# Altium PCB AGRSHUB_U_PCB.PcbDoc (part 1 of 2)
Units mil, origin at the board's own origin, x right, y up, seen from the top; angles counter-clockwise.
Board outline 4400 x 3450 mil, 2 copper layers (Top Layer, Bottom Layer); 174 components, 133 nets, 585 pads, 134 vias.
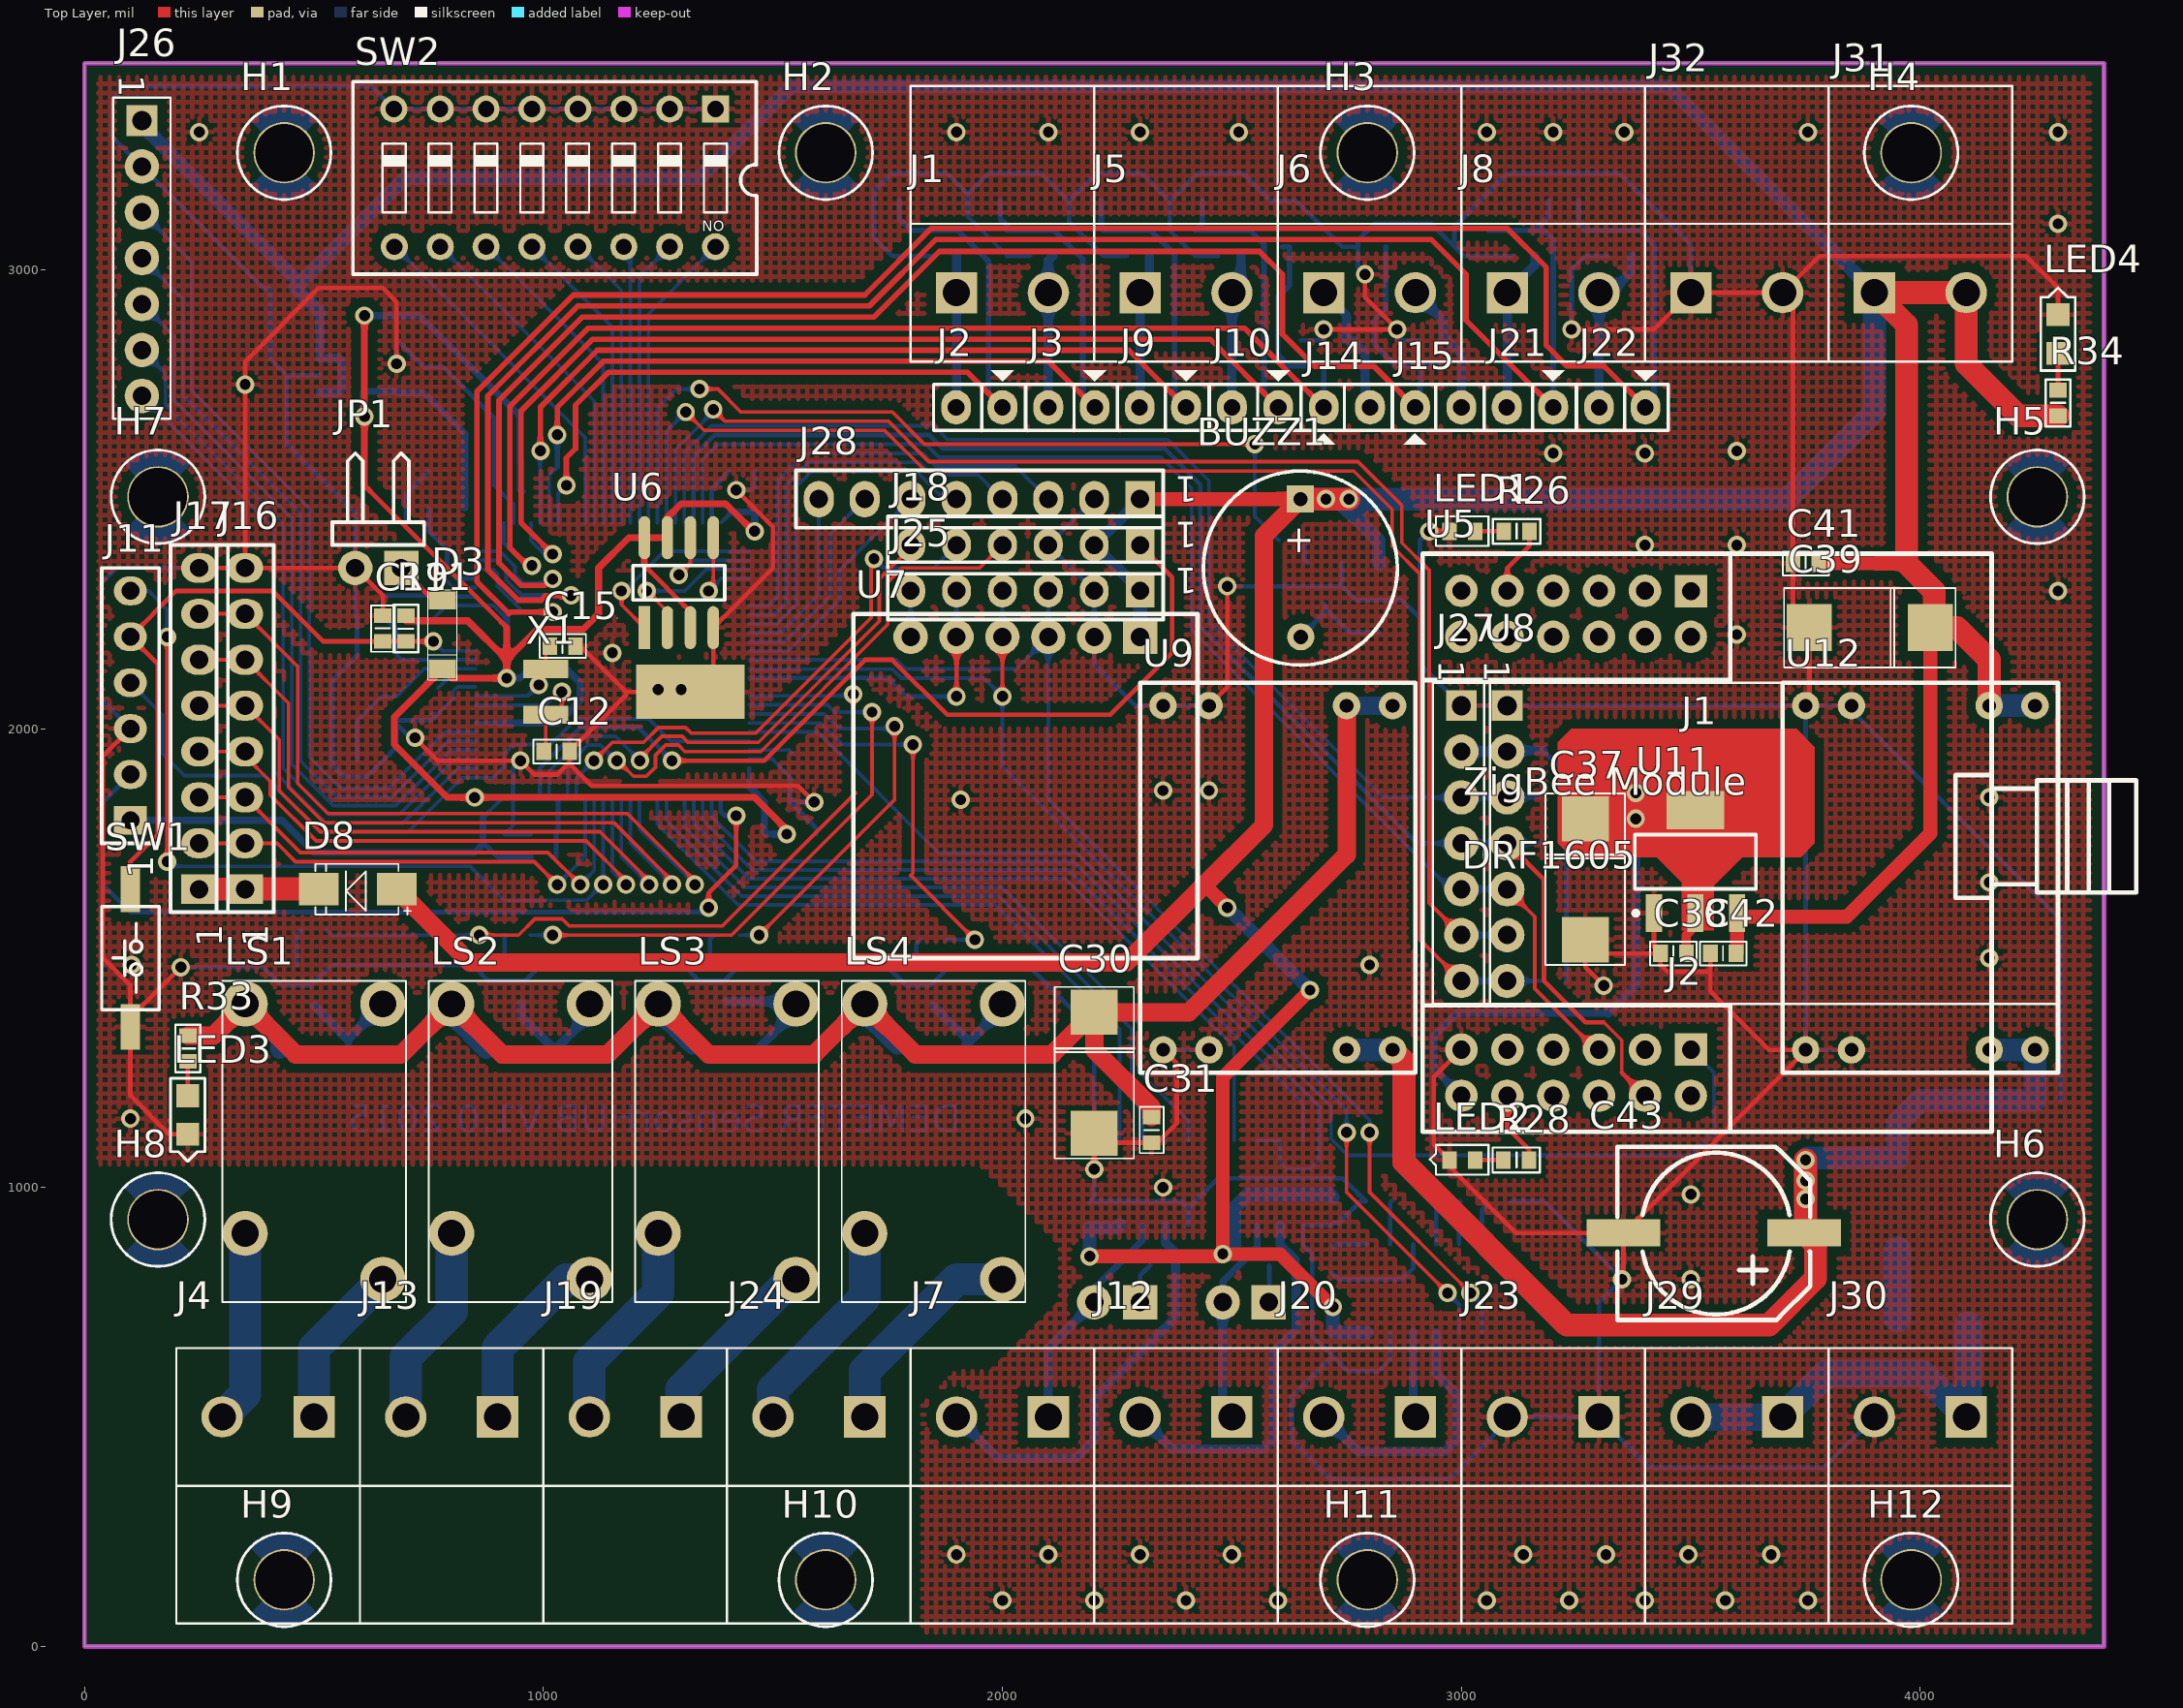
[diagram p0: Top Layer view]
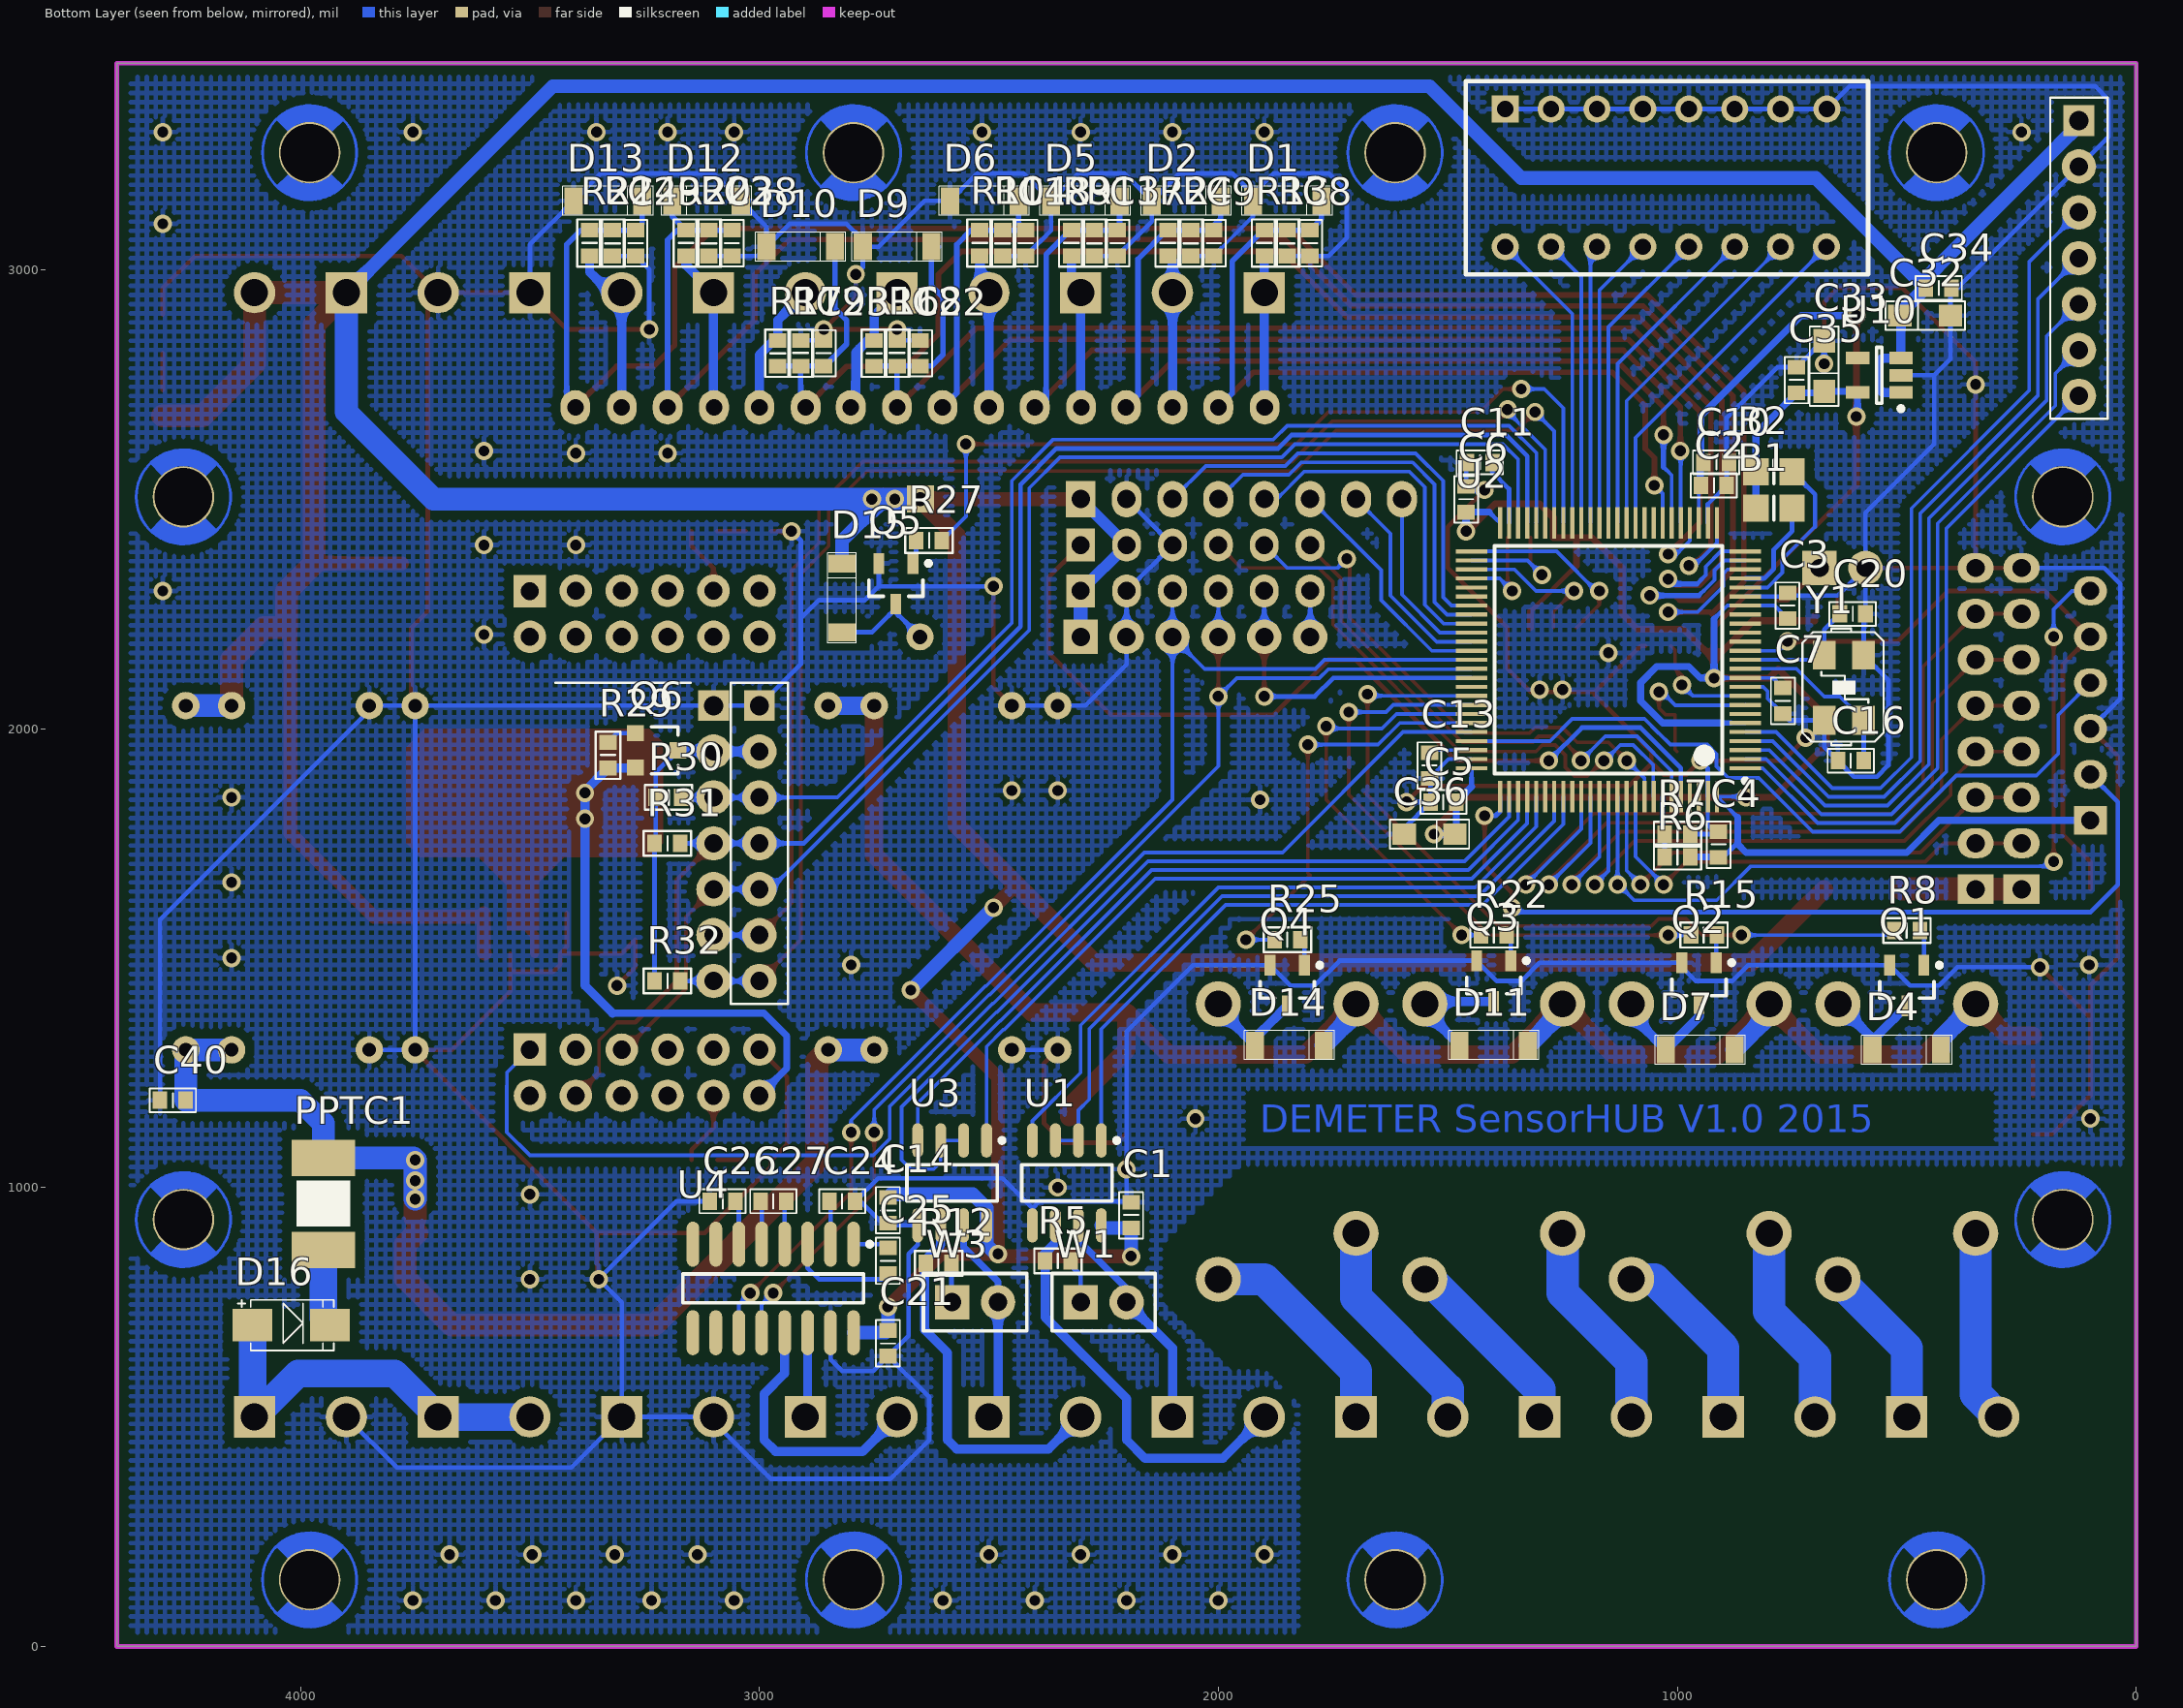
[diagram p1: Bottom Layer view, seen from below]
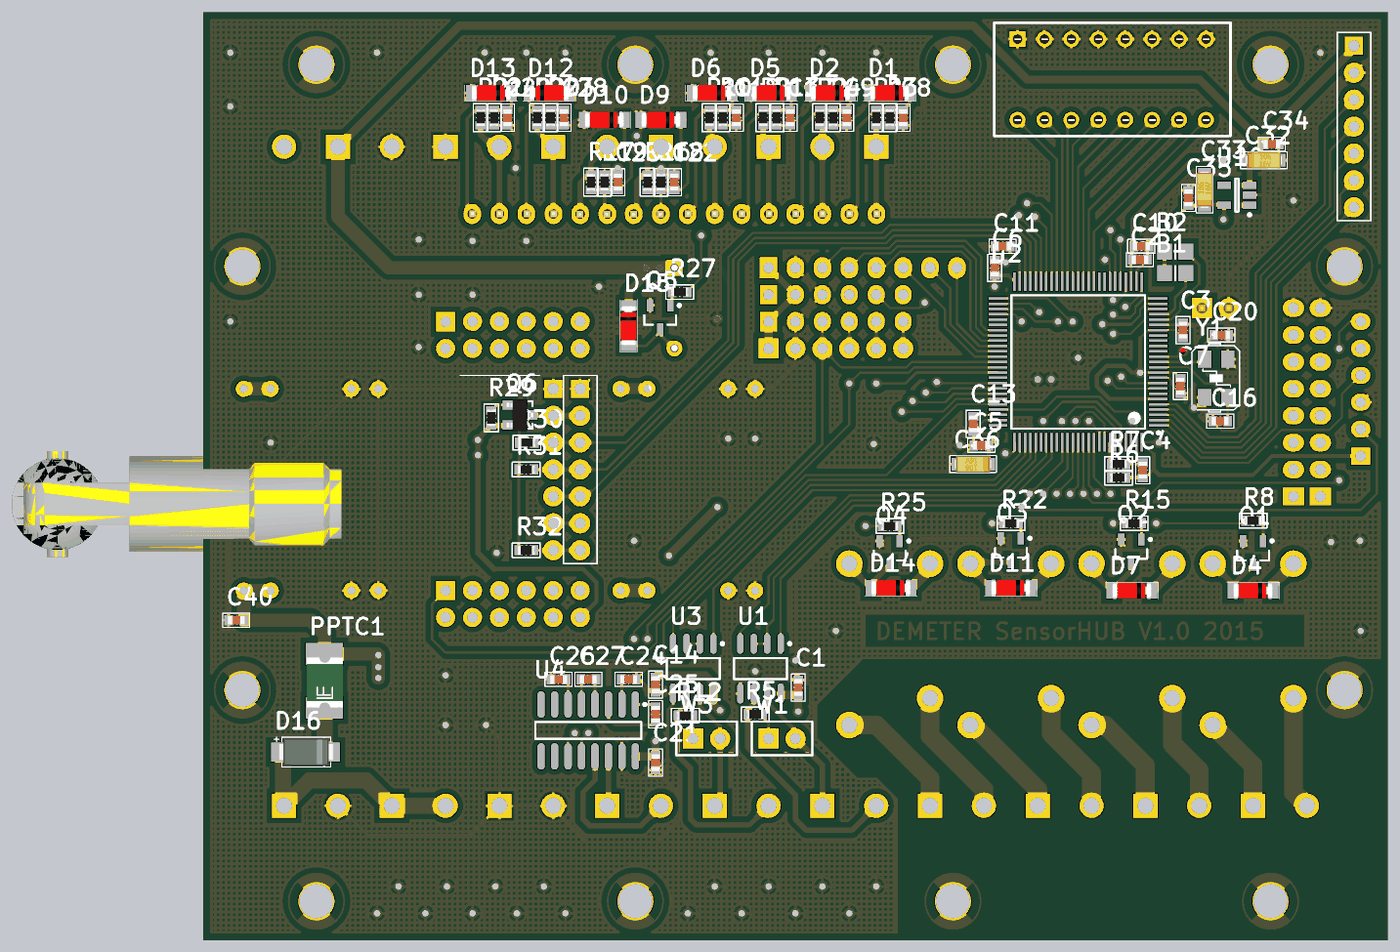
[diagram p3: 3D render of the assembled board from below, using the file's embedded part models]

## Layer stack, top to bottom
Top Solder: solder mask 0.4, Solder Resist, Dk 3.5
Top Layer: signal copper 1.4
Dielectric 1: dielectric 12.6, FR-4, Dk 4.8
Bottom Layer: signal copper 1.4
Bottom Solder: solder mask 0.4, Solder Resist, Dk 3.5

## Board outline
0,0 4400,0 4400,3450 0,3450

## Design rules (kind name [scope] priority, off if disabled: settings)
Clearance [All] p1: gap=10
ComponentClearance [All] p1: gap=0 collisioncheckmode=3 verticalgap=0 showdistances=FALSE
Height [All] p1: minheight=0 maxheight=10000 prefheight=500
PolygonConnect [All] p1: connectstyle=Relief reliefconductorwidth=10 reliefentries=4 polygonreliefangle="90 Angle" airgapwidth=10
RoutingVias [All] p1: holewidth=24 width=40 viastyle="Through Hole" minholewidth=24 minwidth=40 maxholewidth=24 maxwidth=40
SolderMaskExpansion [All] p1: expansion=4
Width [All] p1: maxlimit=100 minlimit=8 preferedwidth=10
28 further rules are at their usual default settings.

## Components (designator, comment, footprint, x,y, rotation, side; value= is the part's Value field where it differs from the comment)
B1 "BEAD" 0805_M 789.37,2480 r0 bottom
B2 "BEAD" 0805_M 789.37,2560 r0 bottom
BUZZ1 "AC-1201A-LF" SPEAKER 2649.5,2500 r270 top
C1 "104" C0603 2190,940 r270 bottom
C2 "104" C0603 920,2530 r0 bottom
C3 "104" C0603 760,2268.44 r270 bottom
C4 "104" C0603 910,1747.44 r270 bottom
C5 "104" C0603 1510,1840 r180 bottom
C6 "104" C0603 1460,2500 r270 bottom
C7 "104" C0603 770,2060 r90 bottom
C8 "103" C0603 1800,3057.56 r90 bottom
C9 "103" C0603 2010,3057.56 r90 bottom
C10 "100nF-16V-20%" C0603 915,2580 r0 bottom
C11 "105" C0603 1430,2580 r0 bottom
C12 "10p" C0603 1028.44,1950 r0 top
C13 "105" C0603 1540,1920 r270 bottom
C14 "104" C0603 2720,950 r90 bottom
C15 "10p" C0603 1041.56,2180 r0 top
C16 "10p" C0603 622.44,1930 r180 bottom
C17 "103" C0603 2220,3057.56 r90 bottom
C18 "103" C0603 2420,3057.56 r90 bottom
C19 "104" C0603 650,2218.44 r270 top
C20 "10p" C0603 617.56,2250 r0 bottom
C21 "105" C0603 2720,660 r90 bottom
C22 "103" C0603 2650,2818.44 r270 bottom
C23 "103" C0603 2860,2818.44 r270 bottom
C24 "105" C0603 2820,970 r180 bottom
C25 "105" C0603 2720,840 r90 bottom
C26 "105" C0603 3080,970 r0 bottom
C27 "105" C0603 2970,970 r180 bottom
C28 "103" C0603 3060,3057.56 r90 bottom
C29 "103" C0603 3270,3057.56 r90 bottom
C30 "100 uF" CAP_TANTA_SMD_100UF/16V 2200,1250 r180 top
C31 "104" C0603 2325,1125 r90 top
C32 "Cap_TANTA" CAP_TANTA_SMD_10UF/10V/16V 460,2900 r270 bottom
C33 "10 uF" CAP_TANTA_SMD_10UF/10V/16V 680,2790 r180 bottom
C34 "104" C0603 430,2960 r0 bottom
C35 "104" C0603 740,2760 r270 bottom
C36 "10 uF" CAP_TANTA_SMD_10UF/10V/16V 1540,1770 r90 bottom
C37 "10 uF" CAP_TANTA_SMD_100UF/16V 3270,1671.77 r180 top
C38 "104" C0603 3461.56,1510 r0 top
C39 "100 uF" CAP_TANTA_SMD_100UF/16V 3890,2220 r90 top
C40 "104" C0603 4277.56,1190 r0 bottom
C41 "104" C0603 3750,2360 r0 top
C42 "104" C0603 3570,1510 r0 top
C43 "100 uF/35V" "CAP_AL_SMD (10X10.2)" 3550,900 r180 top
D1 "D Zener" DO_213AA 1850,3150 r180 bottom
D2 "D Zener" DO_213AA 2070,3150 r180 bottom
D3 "B340A" DO_213AA 780,2204.73 r270 top
D4 "B340A" DO_213AA 500,1300 r180 bottom
D5 "D Zener" DO_213AA 2290,3150 r180 bottom
D6 "D Zener" DO_213AA 2510,3150 r180 bottom
D7 "B340A" DO_213AA 950,1300 r180 bottom
D8 "SS34" "DO-214AC (SMA)" 595.43,1650 r180 top
D9 "D Zener" DO_213AA 2700,3050 r180 bottom
D10 "D Zener" DO_213AA 2910,3050 r180 bottom
D11 "B340A" DO_213AA 1400,1310 r180 bottom
D12 "D Zener" DO_213AA 3115.27,3150 r0 bottom
D13 "D Zener" DO_213AA 3330,3150 r180 bottom
D14 "B340A" DO_213AA 1845.27,1310 r180 bottom
D15 "SS34" DO_213AA 2820,2284.73 r90 bottom
D16 "SS34" "DO-214AC (SMA)" 4020,700 r180 bottom
H1 "HOLE" DE_VIT 435,3255 r0 top
H2 "HOLE" DE_VIT 1615,3255 r0 top
H3 "HOLE" DE_VIT 2795,3255 r0 top
H4 "HOLE" DE_VIT 3980,3255 r0 top
H5 "HOLE" DE_VIT 4255,2505 r0 top
H6 "HOLE" DE_VIT 4255,930 r0 top
H7 "HOLE" DE_VIT 160,2505 r0 top
H8 "HOLE" DE_VIT 160,930 r0 top
H9 "HOLE" DE_VIT 435,145 r0 top
H10 "HOLE" DE_VIT 1615,145 r0 top
H11 "HOLE" DE_VIT 2795,145 r0 top
H12 "HOLE" DE_VIT 3980,145 r0 top
J1 "IN" "DOMINO BIG 2 STAND" 2000,2950 r0 top
J2 "Jumper 2" JP2 2000,2700 r180 top
J3 "Jumper 2" JP2 2201,2700 r180 top
J4 "OUT1" "DOMINO BIG 2 STAND" 400,500 r180 top
J5 "IN" "DOMINO BIG 2 STAND" 2400,2950 r0 top
J6 "IN" "DOMINO BIG 2 STAND" 2800,2950 r0 top
J7 "485 SLAVE" "DOMINO BIG 2 STAND" 2000,500 r180 top
J8 "IN" "DOMINO BIG 2 STAND" 3200,2950 r0 top
J9 "Jumper 2" JP2 2400,2700 r180 top
J10 "Jumper 2" JP2 2601,2700 r180 top
J11 "ST Link" "HEADER 6" 100,1800 r90 top
J12 "485 MASTER" "DOMINO BIG 2 STAND" 2400,500 r180 top
J13 "OUT2" "DOMINO BIG 2 STAND" 800,500 r180 top
J14 "Jumper 2" JP2 2700,2700 r0 top
J15 "Jumper 2" JP2 2899,2700 r0 top
J16 "Header 8" "HEADER 8" 350,1650 r90 top
J17 "GSM" "HEADER 8" 250,1650 r90 top
J18 "DEBUG/BLE" "HEADER 6" 2300,2400 r180 top
J19 "OUT3" "DOMINO BIG 2 STAND" 1200,500 r180 top
J20 "232" "DOMINO BIG 2 STAND" 2800,500 r180 top
J21 "Jumper 2" JP2 3200,2700 r180 top
J22 "Jumper 2" JP2 3401,2700 r180 top
J23 "GND" "DOMINO BIG 2 STAND" 3200,500 r180 top
J24 "OUT4" "DOMINO BIG 2 STAND" 1600,500 r180 top
J25 "Header 6" "HEADER 6" 2300,2300 r180 top
J26 "INPUT" "HEADER 7" 125,3325 r270 top
J27 "Header 7" "HEADER 7" 3000,2050 r270 top
J28 "LCD" "HEADER 8" 2300,2500 r180 top
J29 "DC IN" "DOMINO BIG 2 STAND" 3600,500 r180 top
J30 "DC IN" "DOMINO BIG 2 STAND" 4000,500 r180 top
J31 "5V" "DOMINO BIG 2 STAND" 4000,2950 r0 top
J32 "GND" "DOMINO BIG 2 STAND" 3600,2950 r0 top
JP1 "JP2" "Header 2-V" 690,2350 r180 top
LED1 "LED1" SM/LED_0603 3002,2430 r180 top
LED2 "LED2" SM/LED_0603 3002,1060 r180 top
LED3 "12V" SM/LED_0805 225,1158 r270 top
LED4 "12V" SM/LED_0805 4300,2860 r90 top
LS1 "RELAY SPDT 4P 5V" RELAY_4PIN_5A_12 350,1400 r270 top
LS2 "RELAY SPDT 4P 5V" RELAY_4PIN_5A_12 800,1400 r270 top
LS3 "RELAY SPDT 4P 5V" RELAY_4PIN_5A_12 1250,1400 r270 top
LS4 "RELAY SPDT 4P 5V" RELAY_4PIN_5A_12 1700,1400 r270 top
PPTC1 "KMC5S110-33" PTC1812 3950,970 r90 bottom
Q1 "C1815" SOT-23B_N 500,1440 r270 bottom
Q2 "C1815" SOT-23B_N 952.6,1445.71 r270 bottom
Q3 "C1815" SOT-23B_N 1400,1450 r270 bottom
Q4 "C1815" SOT-23B_N 1850,1440 r270 bottom
Q5 "C1815" SOT-23B_N 2702.6,2315.71 r270 bottom
Q6 "BSS84" SOT23-3 3223.74,1952.6 r270 bottom
R1 "6k8" R0603 1900,3058.44 r270 bottom
R2 "6k8" R0603 2110,3058.44 r270 bottom
R3 "3k3" R0603 1850,3057.56 r90 bottom
R4 "3k3" R0603 2060,3057.56 r90 bottom
R5 "150" R0603 2350,840 r180 bottom
R6 "10k" R0603 1000,1720 r180 bottom
R7 "220" R0603 1000,1770 r180 bottom
R8 "1k-5%" R0603 500,1560 r180 bottom
R9 "6k8" R0603 2320,3058.44 r270 bottom
R10 "6k8" R0603 2520,3058.44 r270 bottom
R11 "10k" R0603 700,2217.56 r90 top
R12 "150" R0603 2610,835 r180 bottom
R13 "3k3" R0603 2270,3057.56 r90 bottom
R14 "3k3" R0603 2470,3057.56 r90 bottom
R15 "1k-5%" R0603 942.44,1550 r180 bottom
R16 "6k8" R0603 2750,2817.56 r90 bottom
R17 "6k8" R0603 2960,2817.56 r90 bottom
R18 "3k3" R0603 2700,2818.44 r270 bottom
R19 "3k3" R0603 2910,2818.44 r270 bottom
R20 "6k8" R0603 3160,3058.44 r270 bottom
R21 "6k8" R0603 3370,3058.44 r270 bottom
R22 "1k-5%" R0603 1400,1550 r180 bottom
R23 "3k3" R0603 3110,3057.56 r90 bottom
R24 "3k3" R0603 3320,3057.56 r90 bottom
R25 "1k-5%" R0603 1850,1540 r180 bottom
R26 "1k-5%" R0603 3120,2430 r0 top
R27 "1k-1%" R0603 2630,2410 r0 bottom
R28 "1k-5%" R0603 3120,1060 r180 top
R29 "4k7" R0603 3330,1942.44 r270 bottom